# KiCad board W1-AT PCB.kicad_pcb
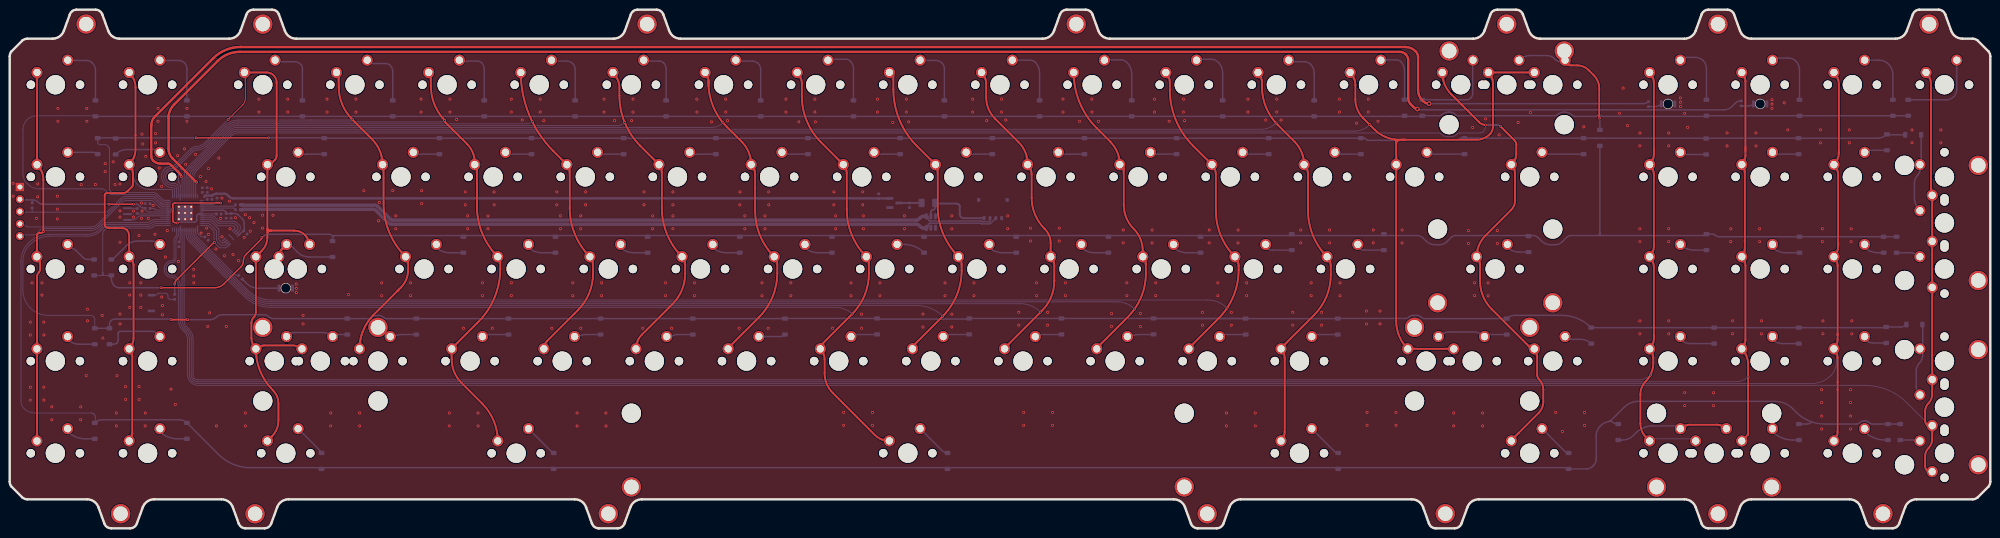
[diagram p0: board, top side]
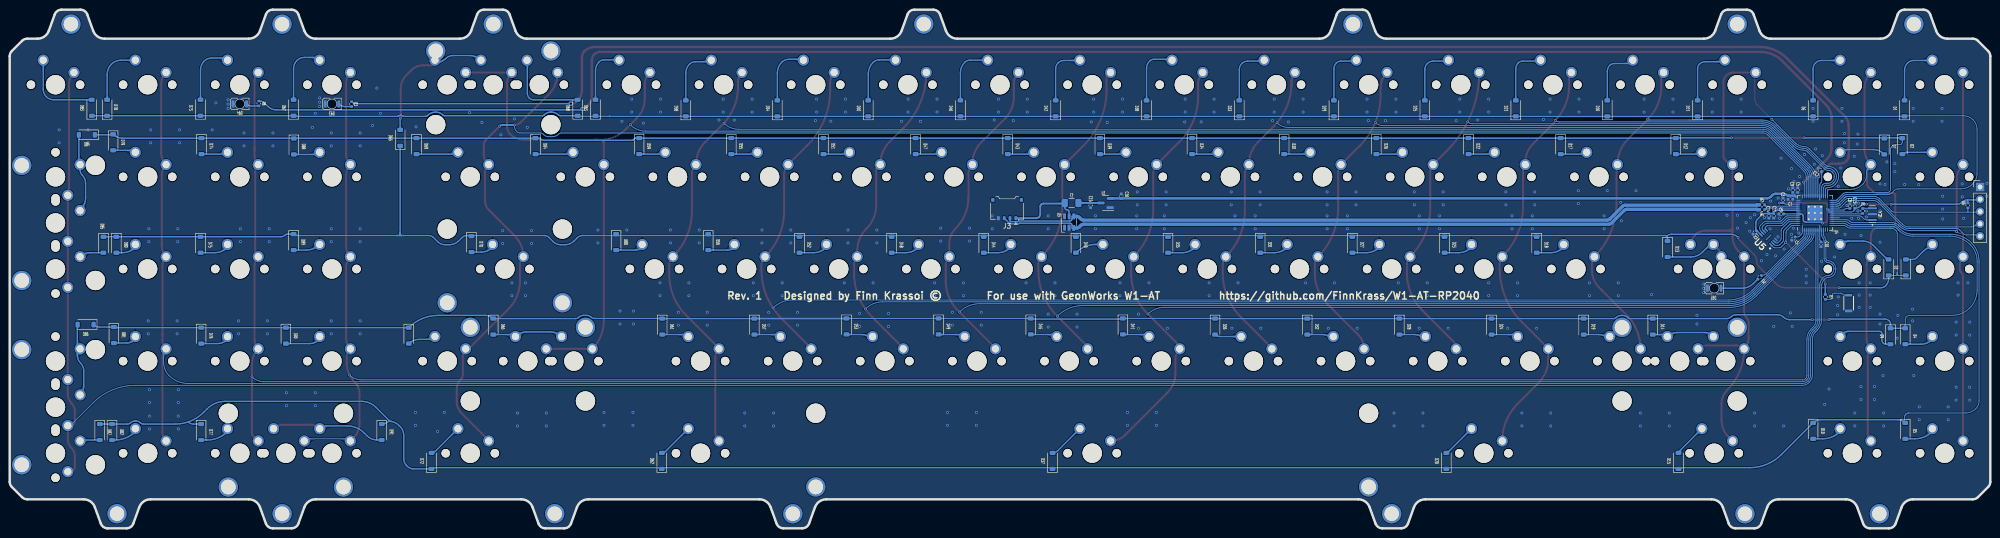
[diagram p1: board, bottom side, seen from below]

Outline 409.47 x 107.25 mm; copper layers: Top, Bottom. Coordinates in mm from the lower left corner of the outline.
Outline path: 0,97.63 0,9.62 arc(0.11,9.05) 0.44,8.56 2.56,6.44 arc(3.05,6.11) 3.62,6 16,6 arc(17.43,5.55) 18.35,4.36 19.57,0.99 arc(20.12,0.27) 20.98,0 24.88,0 arc(25.74,0.27) 26.29,0.99 27.52,4.36 arc(28.43,5.55) 29.87,6 43.78,6 arc(45.21,5.55) 46.13,4.36 47.36,0.99 arc(47.9,0.27) 48.77,0 52.66,0 arc(53.53,0.27) 54.07,0.99 55.3,4.36 arc(56.22,5.55) 57.65,6 116.81,6 arc(118.24,5.55) 119.15,4.36 120.38,0.99 arc(120.93,0.27) 121.79,0 125.69,0 arc(126.55,0.27) 127.1,0.99 128.33,4.36 arc(129.24,5.55) 130.67,6 240.63,6 arc(242.06,5.55) 242.98,4.36 244.21,0.99 arc(244.75,0.27) 245.62,0 249.51,0 arc(250.38,0.27) 250.92,0.99 252.15,4.36 arc(253.07,5.55) 254.5,6 289.84,6 arc(291.28,5.55) 292.19,4.36 293.42,0.99 arc(293.97,0.27) 294.83,0 298.73,0 arc(299.59,0.27) 300.14,0.99 301.36,4.36 arc(302.28,5.55) 303.71,6 346.2,6 arc(347.63,5.55) 348.55,4.36 349.77,0.99 arc(350.32,0.27) 351.18,0 355.08,0 arc(355.94,0.27) 356.49,0.99 357.72,4.36 arc(358.63,5.55) 360.07,6 380.33,6 arc(381.76,5.55) 382.68,4.36 383.91,0.99 arc(384.45,0.27) 385.32,0 389.21,0 arc(390.08,0.27) 390.62,0.99 391.85,4.36 arc(392.77,5.55) 394.2,6 405.84,6 arc(406.42,6.11) 406.9,6.44 409.03,8.56 arc(409.35,9.05) 409.47,9.62 409.47,97.63 arc(409.35,98.2) 409.03,98.69 406.9,100.81 arc(406.42,101.14) 405.84,101.25 403.72,101.25 arc(402.29,101.7) 401.38,102.89 400.15,106.26 arc(399.6,106.98) 398.74,107.25 394.84,107.25 arc(393.98,106.98) 393.43,106.26 392.2,102.89 arc(391.29,101.7) 389.86,101.25 360.07,101.25 arc(358.63,101.7) 357.72,102.89 356.49,106.26 arc(355.94,106.98) 355.08,107.25 351.18,107.25 arc(350.32,106.98) 349.77,106.26 348.55,102.89 arc(347.63,101.7) 346.2,101.25 316.41,101.25 arc(314.98,101.7) 314.06,102.89 312.84,106.26 arc(312.29,106.98) 311.43,107.25 307.53,107.25 arc(306.67,106.98) 306.12,106.26 304.89,102.89 arc(303.98,101.7) 302.54,101.25 227.42,101.25 arc(225.99,101.7) 225.08,102.89 223.85,106.26 arc(223.3,106.98) 222.44,107.25 218.54,107.25 arc(217.68,106.98) 217.13,106.26 215.9,102.89 arc(214.99,101.7) 213.56,101.25 138.7,101.25 arc(137.27,101.7) 136.35,102.89 135.12,106.26 arc(134.58,106.98) 133.71,107.25 129.82,107.25 arc(128.95,106.98) 128.41,106.26 127.18,102.89 arc(126.26,101.7) 124.83,101.25 59.24,101.25 arc(57.8,101.7) 56.89,102.89 55.66,106.26 arc(55.11,106.98) 54.25,107.25 50.35,107.25 arc(49.49,106.98) 48.94,106.26 47.72,102.89 arc(46.8,101.7) 45.37,101.25 22.72,101.25 arc(21.29,101.7) 20.38,102.89 19.15,106.26 arc(18.6,106.98) 17.74,107.25 13.84,107.25 arc(12.98,106.98) 12.43,106.26 11.2,102.89 arc(10.29,101.7) 8.86,101.25 3.62,101.25 arc(3.05,101.14) 2.56,100.81 0.44,98.69 arc(0.11,98.2) 0,97.63
Stack: Top 0.035mm / dielectric 1.51mm FR4 er 4.5 / Bottom 0.035mm

## Placement (name value [footprint] x y rotation side)
C3  1uF  [C_0402_1005Metric]  42.86 67.82 90 bottom
C4  1uF  [C_0402_1005Metric]  40.71 59.91 315 bottom
C5  100nF  [C_0402_1005Metric]  39.83 69.95 90 bottom
C6  100nF  [C_0402_1005Metric]  43.25 64.99 0 bottom
C7  100nF  [C_0402_1005Metric]  41.34 68.04 0 bottom
C8  100nF  [C_0402_1005Metric]  29.02 66.64 90 bottom
C9  100nF  [C_0402_1005Metric]  40.85 69.95 90 bottom
C10  100nF  [C_0402_1005Metric]  35 58.72 270 bottom
C11  100nF  [C_0402_1005Metric]  44.77 64.61 270 bottom
C12  100nF  [C_0402_1005Metric]  35.24 74.14 45 bottom
C13  100nF  [C_0402_1005Metric]  28.01 66.67 90 bottom
C14  100nF  [C_0402_1005Metric]  45.79 64.61 270 bottom
C15  1uF  [C_0402_1005Metric]  186.01 66.8 270 bottom
C16  1uF  [C_0402_1005Metric]  179.66 68.68 90 bottom
C17  100nF  [C_0402_1005Metric]  48.72 61.18 135 bottom
D1  D_Small  [D_SOD-123]  17.73 86.84 90 bottom
D2  D_Small  [D_SOD-123]  18.19 79.03 270 bottom
D3  D_Small  [D_SOD-123]  17.46 53.95 90 bottom
D4  D_Small  [D_SOD-123]  17.59 39.72 270 bottom
D5  D_Small  [D_SOD-123]  17.59 20.16 270 bottom
D6  D_Small  [D_SOD-123]  36.64 86.84 90 bottom
D7  D_Small  [D_SOD-123]  21.91 78.96 270 bottom
D8  D_Small  [D_SOD-123]  21.02 53.94 90 bottom
D9  D_Small  [D_SOD-123]  20.64 39.72 270 bottom
D10  D_Small  [D_SOD-123]  36.64 20.16 270 bottom
D11  D_Small  [D_SOD-123]  60.52 86.84 90 bottom
D12  D_Small  [D_SOD-123]  65.03 79.03 270 bottom
D13  D_Small  [D_SOD-123]  66.74 57.75 270 bottom
D14  D_Small  [D_SOD-123]  69.79 41.72 270 bottom
D15  D_Small  [D_SOD-123]  64.47 13.94 90 bottom
D16  D_Small  [D_SOD-123]  79.19 86.84 90 bottom
D17  D_Small  [D_SOD-123]  88.84 79.03 270 bottom
D18  D_Small  [D_SOD-123]  93.79 58.64 270 bottom
D19  D_Small  [D_SOD-123]  84.08 41.72 270 bottom
D20  D_Small  [D_SOD-123]  112.46 13.94 90 bottom
D21  D_Small  [D_SOD-123]  98.11 86.84 90 bottom
D22  D_Small  [D_SOD-123]  107.89 79.03 270 bottom
D23  D_Small  [D_SOD-123]  112.84 58.64 270 bottom
D24  D_Small  [D_SOD-123]  103.13 41.72 270 bottom
D25  D_Small  [D_SOD-123]  116.91 86.84 90 bottom
D26  D_Small  [D_SOD-123]  126.94 79.03 270 bottom
D27  D_Small  [D_SOD-123]  131.89 58.64 270 bottom
D28  D_Small  [D_SOD-123]  122.18 41.72 270 bottom
D29  D_Small  [D_SOD-123]  135.7 86.84 90 bottom
D30  D_Small  [D_SOD-123]  145.99 79.03 270 bottom
D31  D_Small  [D_SOD-123]  150.94 58.64 270 bottom
D32  D_Small  [D_SOD-123]  141.23 41.72 270 bottom
D33  D_Small  [D_SOD-123]  155.26 86.84 90 bottom
D34  D_Small  [D_SOD-123]  165.04 79.03 270 bottom
D35  D_Small  [D_SOD-123]  169.99 58.64 270 bottom
D36  D_Small  [D_SOD-123]  160.28 41.72 270 bottom
D37  D_Small  [D_SOD-123]  193.88 13.94 90 bottom
D38  D_Small  [D_SOD-123]  174.44 86.84 90 bottom
D39  D_Small  [D_SOD-123]  184.09 79.03 270 bottom
D40  D_Small  [D_SOD-123]  189.04 58.64 270 bottom
D41  D_Small  [D_SOD-123]  179.33 41.75 270 bottom
D42  D_Small  [D_SOD-123]  193.23 86.84 90 bottom
D43  D_Small  [D_SOD-123]  203.14 79.03 270 bottom
D44  D_Small  [D_SOD-123]  208.09 58.64 270 bottom
D45  D_Small  [D_SOD-123]  198.38 41.75 270 bottom
D46  D_Small  [D_SOD-123]  212.92 86.84 90 bottom
D47  D_Small  [D_SOD-123]  222.19 79.03 270 bottom
D48  D_Small  [D_SOD-123]  227.14 58.64 270 bottom
D49  D_Small  [D_SOD-123]  217.43 41.75 270 bottom
D50  D_Small  [D_SOD-123]  231.97 86.84 90 bottom
D51  D_Small  [D_SOD-123]  241.24 79.03 270 bottom
D52  D_Small  [D_SOD-123]  246.19 58.64 270 bottom
D53  D_Small  [D_SOD-123]  236.48 41.75 270 bottom
D54  D_Small  [D_SOD-123]  250.76 86.84 90 bottom
D55  D_Small  [D_SOD-123]  260.29 79.03 270 bottom
D56  D_Small  [D_SOD-123]  265.05 59.18 270 bottom
D57  D_Small  [D_SOD-123]  255.53 41.72 270 bottom
D58  D_Small  [D_SOD-123]  269.69 86.84 90 bottom
D59  D_Small  [D_SOD-123]  279.34 79.03 270 bottom
D60  D_Small  [D_SOD-123]  284.1 59.18 270 bottom
D61  D_Small  [D_SOD-123]  274.58 41.72 270 bottom
D62  D_Small  [D_SOD-123]  274.65 13.94 90 bottom
D63  D_Small  [D_SOD-123]  288.36 86.96 90 bottom
D64  D_Small  [D_SOD-123]  300.77 79.03 270 bottom
D65  D_Small  [D_SOD-123]  328.74 80.74 90 bottom
D66  D_Small  [D_SOD-123]  309.5 41.72 270 bottom
D67  D_Small  [D_SOD-123]  350.78 86.96 90 bottom
D68  D_Small  [D_SOD-123]  292.04 86.96 90 bottom
D69  D_Small  [D_SOD-123]  325.38 79.03 270 bottom
D70  D_Small  [D_SOD-123]  314.01 58.77 270 bottom
D71  D_Small  [D_SOD-123]  326.96 39.85 270 bottom
D72  D_Small  [D_SOD-123]  322.28 13.94 90 bottom
D73  D_Small  [D_SOD-123]  370.02 86.96 90 bottom
D74  D_Small  [D_SOD-123]  369.83 79.03 270 bottom
D75  D_Small  [D_SOD-123]  370.02 58.64 270 bottom
D76  D_Small  [D_SOD-123]  369.89 39.85 270 bottom
D77  D_Small  [D_SOD-123]  369.89 19.91 270 bottom
D78  D_Small  [D_SOD-123]  389.32 86.96 90 bottom
D79  D_Small  [D_SOD-123]  388.08 79.82 270 bottom
D80  D_Small  [D_SOD-123]  387.42 58.64 270 bottom
D81  D_Small  [D_SOD-123]  387.92 39.97 270 bottom
D82  D_Small  [D_SOD-123]  388.3 19.91 270 bottom
D83  D_Small  [D_SOD-123]  392.5 86.96 90 bottom
D84  D_Small  [D_SOD-123]  393.51 81.38 0 bottom
D85  D_Small  [D_SOD-123]  390.08 58.64 270 bottom
D86  D_Small  [D_SOD-123]  393.77 42.13 0 bottom
D87  D_Small  [D_SOD-123]  390.84 19.91 270 bottom
D88  D_Small  [D_SOD-123]  350.71 78.96 270 bottom
D89  D_Small  [D_SOD-123]  350.78 59.18 270 bottom
D90  D_Small  [D_SOD-123]  352.36 39.85 270 bottom
D91  D_Small  [D_SOD-123]  332.55 19.91 270 bottom
D92  -  [EverlightSMD,1.3x3.2]  57.09 49.66 180 bottom
D93  -  [EverlightSMD,1.3x3.2]  342.84 87.76 180 bottom
D94  -  [EverlightSMD,1.3x3.2]  361.89 87.76 180 bottom
F2  500mA  [Fuse_1206_3216Metric]  189.93 67.28 0 bottom
H1  MountingHole  [Tadpole Pin]  309.49 104.27 0 top
H2  MountingHole  [Tadpole Pin]  353.14 3.01 0 top
H3  MountingHole  [Tadpole Pin]  22.94 3.02 0 top
H4  MountingHole  [Tadpole Pin]  50.73 3 0 top
H5  MountingHole  [Tadpole Pin]  123.76 3.02 0 top
H6  MountingHole  [Tadpole Pin]  131.77 104.26 0 top
H7  MountingHole  [Tadpole Pin]  353.16 104.25 0 top
H8  MountingHole  [Tadpole Pin]  387.27 3.02 0 top
H9  MountingHole  [Tadpole Pin]  296.79 3.02 0 top
H10  MountingHole  [Tadpole Pin]  247.57 3.01 0 top
H11  MountingHole  [Tadpole Pin]  15.81 104.27 0 top
H12  MountingHole  [Tadpole Pin]  52.32 104.26 0 top
H13  MountingHole  [Tadpole Pin]  220.49 104.27 0 top
H14  MountingHole  [Tadpole Pin]  396.8 104.26 0 top
J2  Conn_01x05  [PinHeader_1x05_P2.54mm_Vertical]  2.11 70.58 180 bottom
J3  Conn_01x04  [Molex_Pico-EZmate_78171-0004_1x04-1MP_P1.20mm_Vertical]  203.27 66.01 0 bottom
R1  1k  [R_0402_1005Metric]  26.37 65.63 270 bottom
R2  175R  [R_0402_1005Metric]  47.69 51.91 135 bottom
R3  175R  [R_0402_1005Metric]  338.77 87.73 90 bottom
R4  27R  [R_0402_1005Metric]  47.2 65.88 180 bottom
R5  27R  [R_0402_1005Metric]  47.2 66.9 180 bottom
R6  10K  [R_0402_1005Metric]  4.65 66.77 270 bottom
R7  1K  [R_0402_1005Metric]  34.11 47.85 270 bottom
R8  175R  [R_0402_1005Metric]  357.95 87.86 90 bottom
S1  MX_stab  [STAB_MX_P_7u]  185.68 15.54 180 top
S3  MX_stab  [STAB_MX_P_2.25u]  64.23 34.58 0 top
S4  MX_stab  [STAB_MX_P_2u]  309.48 91.73 0 top
S5  MX_stab  [STAB_MX_P_2.25u]  307.1 53.63 180 top
S6  MX_stab  [STAB_MX_P_2.75u]  302.34 34.58 0 top
S7  MX_stab  [STAB_MX_P_2u]  352.36 15.53 180 top
S8  MX_stab  [STAB_MX_P_2u]  399.99 63.15 270 top
S9  MX_stab  [STAB_MX_P_2u]  399.99 25.05 270 top
SW1  SW_Push  [KXT321LHS]  29.29 46.58 90 bottom
SW2  MX_SW_solder  [SW_MX_1u]  9.46 91.73 0 top
SW3  MX_SW_solder  [SW_MX_1u]  9.46 72.68 0 top
SW4  MX_SW_solder  [SW_MX_1u]  9.44 53.63 0 top
SW5  MX_SW_solder  [SW_MX_1u]  9.44 34.58 0 top
SW6  MX_SW_solder  [SW_MX_1u]  9.44 15.53 0 top
SW7  MX_SW_solder  [SW_MX_1u]  28.51 91.73 0 top
SW8  MX_SW_solder  [SW_MX_1u]  28.51 72.68 0 top
SW9  MX_SW_solder  [SW_MX_1u]  28.51 53.63 0 top
SW10  MX_SW_solder  [SW_MX_1u]  28.51 34.58 0 top
SW11  MX_SW_solder  [SW_MX_1u]  28.51 15.53 0 top
SW12  ESC  [SW_MX_1u]  52.33 91.73 0 top
SW13  TAB  [SW_MX_1.5u]  57.09 72.68 0 top
SW14  CAPS  [SW_MX_1.75u]  59.47 53.63 0 top
SW15  LSFT  [SW_MX_1u]  64.23 34.58 0 top
SW16  LCTL  [SW_MX_1.5u]  57.09 15.53 0 top
SW17  1  [SW_MX_1u]  71.38 91.73 0 top
SW18  Q  [SW_MX_1u]  80.9 72.68 0 top
SW19  A  [SW_MX_1u]  85.66 53.63 0 top
SW20  ~{LSFT}  [SW_MX_1u]  76.14 34.58 0 top
SW21  LALT  [SW_MX_1.5u]  104.71 15.53 0 top
SW22  2  [SW_MX_1u]  90.43 91.73 0 top
SW23  W  [SW_MX_1u]  99.95 72.68 0 top
SW24  S  [SW_MX_1u]  104.71 53.63 0 top
SW25  Z  [SW_MX_1u]  95.19 34.58 0 top
SW26  3  [SW_MX_1u]  109.48 91.73 0 top
SW27  E  [SW_MX_1u]  119 72.68 0 top
SW28  D  [SW_MX_1u]  123.76 53.63 0 top
SW29  X  [SW_MX_1u]  114.24 34.58 0 top
SW30  4  [SW_MX_1u]  128.53 91.73 0 top
SW31  R  [SW_MX_1u]  138.05 72.68 0 top
SW32  F  [SW_MX_1u]  142.81 53.63 0 top
SW33  C  [SW_MX_1u]  133.29 34.58 0 top
SW34  5  [SW_MX_1u]  147.58 91.73 0 top
SW35  T  [SW_MX_1u]  157.1 72.68 0 top
SW36  G  [SW_MX_1u]  161.86 53.63 0 top
SW37  V  [SW_MX_1u]  152.34 34.58 0 top
SW38  MX_SW_solder  [SW_MX_1u]  185.68 15.54 0 top
SW39  6  [SW_MX_1u]  166.63 91.73 0 top
SW40  Y  [SW_MX_1u]  176.15 72.68 0 top
SW41  H  [SW_MX_1u]  180.91 53.63 0 top
SW42  B  [SW_MX_1u]  171.39 34.58 0 top
SW43  7  [SW_MX_1u]  185.68 91.73 0 top
SW44  U  [SW_MX_1u]  195.2 72.68 0 top
SW45  J  [SW_MX_1u]  199.96 53.63 0 top
SW46  N  [SW_MX_1u]  190.44 34.58 0 top
SW47  8  [SW_MX_1u]  204.73 91.73 0 top
SW48  I  [SW_MX_1u]  214.25 72.68 0 top
SW49  K  [SW_MX_1u]  219.01 53.63 0 top
SW50  M  [SW_MX_1u]  209.49 34.58 0 top
SW51  9  [SW_MX_1u]  223.78 91.73 0 top
SW52  O  [SW_MX_1u]  233.3 72.68 0 top
SW53  L  [SW_MX_1u]  238.06 53.63 0 top
SW54  <  [SW_MX_1u]  228.54 34.58 0 top
SW55  0  [SW_MX_1u]  242.83 91.73 0 top
SW56  P  [SW_MX_1u]  252.35 72.68 0 top
SW57  :  [SW_MX_1u]  257.11 53.63 0 top
SW58  >  [SW_MX_1u]  247.59 34.58 0 top
SW59  -  [SW_MX_1u]  261.88 91.73 0 top
SW60  {  [SW_MX_1u]  271.4 72.68 0 top
SW61  "  [SW_MX_1u]  276.16 53.63 0 top
SW62  ?  [SW_MX_1u]  266.64 34.58 0 top
SW63  RALT  [SW_MX_1.5u]  266.64 15.53 0 top
SW64  +  [SW_MX_1u]  280.93 91.73 0 top
SW65  }  [SW_MX_1u]  290.45 72.68 0 top
SW66  BSPACE  [SW_MX_1u]  309.5 91.73 0 top
SW67  NLCK  [SW_MX_1u]  342.84 91.73 0 top
SW68  RSFT  [SW_MX_1u]  302.36 34.58 0 top
SW69  ~{BSP|\}  [SW_MX_1u]  299.98 91.73 0 top
SW70  PIPE  [SW_MX_1.5u]  314.24 72.68 0 top
SW71  ENTER  [SW_MX_1u]  307.09 53.63 0 top
SW72  ~{FN}  [SW_MX_1u]  319.01 34.58 0 top
SW73  RCTL  [SW_MX_1.5u]  314.24 15.53 0 top
SW74  DIVIDE  [SW_MX_1u]  361.89 91.73 0 top
SW75  N8  [SW_MX_1u]  361.89 72.68 0 top
SW76  N5  [SW_MX_1u]  361.89 53.63 0 top
SW77  N2  [SW_MX_1u]  361.89 34.58 0 top
SW78  SPLIT N-ENTER  [SW_MX_1u]  399.99 15.53 90 top
SW79  MULT  [SW_MX_1u]  380.94 91.73 0 top
SW80  N9  [SW_MX_1u]  380.94 72.68 0 top
SW81  N6  [SW_MX_1u]  380.94 53.63 0 top
SW82  N3  [SW_MX_1u]  380.94 34.58 0 top
SW83  SPLIT N0  [SW_MX_1u]  361.89 15.53 0 top
SW84  N-  [SW_MX_1u]  399.99 91.73 0 top
SW85  N+  [SW_MX_1u]  399.99 63.15 90 top
SW86  SPLIT N+  [SW_MX_1u]  399.99 53.63 90 top
SW87  N-ENTER  [SW_MX_1u]  399.99 25.05 90 top
SW88  N.  [SW_MX_1u]  380.94 15.53 0 top
SW89  ~{CAPS}  [SW_MX_1.25u]  54.71 53.63 0 top
SW90  SPLITLSFT  [SW_MX_1.25u]  54.71 34.58 0 top
SW91  N7  [SW_MX_1u]  342.84 72.68 0 top
SW92  ~{RSFT}  [SW_MX_1.75u]  292.83 34.58 0 top
SW93  N4  [SW_MX_1u]  342.84 53.63 0 top
SW94  ~{N+}  [SW_MX_1u]  399.99 72.68 90 top
SW95  ~{N-ENTER}  [SW_MX_1u]  399.99 34.58 90 top
SW96  N1  [SW_MX_1u]  342.84 34.58 0 top
SW97  N0  [SW_MX_1u]  352.36 15.53 0 top
SW98  ~{N0}  [SW_MX_1u]  342.84 15.53 0 top
SW99  ~{BSPACE}  [SW_MX_1u]  319.01 91.73 0 top
U1  XC6206PxxxMR  [SOT-23]  182.9 67.28 0 bottom
U3  SRV05-4  [SOT-23-6-routable]  190.44 63.34 90 bottom
U4  RP2040  [RP2040-QFN-56]  36.26 65.22 90 bottom
U5  W25Q32JVSS  [W25Q16FWUXIE]  45.39 58.65 45 bottom
Y2  CSTNE12M0G520000R0  [OSC_CSTNE12M0G520000R0]  24.38 64.98 90 bottom

## Library data of the parts
C3 C4 C15 C16 = -: Description: Unpolarized capacitor, small symbol
C5 = -: Description: Unpolarized capacitor, small symbol; LCSC: C52923
C6-C14 C17 = -: Description: Unpolarized capacitor, small symbol; LCSC: C1525
D1-D91 = -: Description: Diode, small symbol
D92-D94 = -: Description: Light emitting diode, small symbol
F2 = -: Description: Resettable fuse, polymeric positive temperature coefficient, small symbol
H1-H14 = -: Description: Mounting Hole without connection
J2 = -: Description: Generic connector, single row, 01x05, script generated (kicad-library-utils/schlib/autogen/connector/)
J3 = -: Description: Generic connector, single row, 01x04, script generated (kicad-library-utils/schlib/autogen/connector/)
R1-R8 = -: Description: Resistor, small symbol
S1 S3-S9 = -: Description: Cherry MX-style stabilizer
SW1 = -: Description: Push button switch, generic, two pins
SW2-SW99 = -: Description: Push button switch, normally open, two pins, 45° tilted
U1 = -: Description: Positive 60-250mA Low Dropout Regulator, Fixed Output, SOT-23
U3 = -: Description: ESD Protection Diodes with Low Clamping Voltage, SOT-23-6
U4 = -: Description: A microcontroller by Raspberry Pi
U5 = -: Description: 32Mb Serial Flash Memory, Standard/Dual/Quad SPI, SOIC-8
Y2 = -: MANUFACTURER: Murata; MAXIMUM_PACKAGE_HEIGHT: 0.8mm; PARTREV: JGC42-8858A; STANDARD: Manufacturer Recomendations

## Footprints (pads in the part's own frame, mm; a bottom-side part is the same pattern mirrored in y, then rotated)
C_0402_1005Metric
  rrect 0.56x0.62 smd: 1(-0.48,0) 2(0.48,0)
D_SOD-123
  rrect 0.9x1.2 smd: 1(-1.65,0) 2(1.65,0)
EverlightSMD,1.3x3.2
  rrect 0.6x1.5 smd: 1(1.4,0) 2(-1.4,0)
Fuse_1206_3216Metric
  rrect 1.25x1.75 smd: 1(-1.4,0) 2(1.4,0)
KXT321LHS
  rrect 0.55x1.5 smd: 1(-1.625,0) 2(1.625,0)
Molex_Pico-EZmate_78171-0004_1x04-1MP_P1.20mm_Vertical
  rrect 0.6x0.85 smd: 1(-1.8,1.875) 2(-0.6,1.875) 3(0.6,1.875) 4(1.8,1.875)
  rrect 0.7x0.8 smd: MP(-2.95,-1.9) MP(2.95,-1.9)
OSC_CSTNE12M0G520000R0
  oval 0.4x1.9 smd: 1(-1.2,0)
  rrect 0.4x1.9 smd: 2(0,0) 3(1.2,0)
PinHeader_1x05_P2.54mm_Vertical
  rect 1.7x1.7 hole 1: 1(0,0)
  oval 1.7x1.7 hole 1: 2(0,-2.54) 3(0,-5.08) 4(0,-7.62) 5(0,-10.16)
R_0402_1005Metric
  rrect 0.54x0.64 smd: 1(-0.51,0) 2(0.51,0)
RP2040-QFN-56
  rrect 1.084x1.084 smd: (-0.637,-0.637) (-0.637,0.637) (0.637,-0.637) (0.637,0.637)
  rrect 0.875x0.2 smd: 1(-3.438,2.6) 2(-3.438,2.2) 3(-3.438,1.8) 4(-3.438,1.4) 5(-3.438,1) 6(-3.438,0.6) 7(-3.438,0.2) 8(-3.438,-0.2) 9(-3.438,-0.6) 10(-3.438,-1) 11(-3.438,-1.4) 12(-3.438,-1.8) 13(-3.438,-2.2) 14(-3.438,-2.6) 29(3.438,-2.6) 30(3.438,-2.2) 31(3.438,-1.8) 32(3.438,-1.4) 33(3.438,-1) 34(3.438,-0.6) 35(3.438,-0.2) 36(3.438,0.2) 37(3.438,0.6) 38(3.438,1) 39(3.438,1.4) 40(3.438,1.8) 41(3.438,2.2) 42(3.438,2.6)
  rrect 0.2x0.875 smd: 15(-2.6,-3.438) 16(-2.2,-3.438) 17(-1.8,-3.438) 18(-1.4,-3.438) 19(-1,-3.438) 20(-0.6,-3.438) 21(-0.2,-3.438) 22(0.2,-3.438) 23(0.6,-3.438) 24(1,-3.438) 25(1.4,-3.438) 26(1.8,-3.438) 27(2.2,-3.438) 28(2.6,-3.438) 43(2.6,3.438) 44(2.2,3.438) 45(1.8,3.438) 46(1.4,3.438) 47(1,3.438) 48(0.6,3.438) 49(0.2,3.438) 50(-0.2,3.438) 51(-0.6,3.438) 52(-1,3.438) 53(-1.4,3.438) 54(-1.8,3.438) 55(-2.2,3.438) 56(-2.6,3.438)
  round 0.6 hole 0.35: 57(-1.275,-1.275) 57(-1.275,0) 57(-1.275,1.275) 57(0,-1.275) 57(0,0) 57(0,1.275) 57(1.275,-1.275) 57(1.275,0) 57(1.275,1.275)
  rrect 3.2x3.2 smd: 57(0,0)
SOT-23
  rrect 1.475x0.6 smd: 1(-0.938,0.95) 2(-0.938,-0.95) 3(0.938,0)
SOT-23-6-routable
  rrect 1.25x0.6 smd: 1(-1.175,0.95) 2(-1.175,0) 3(-1.25,-0.95) 4(1.175,-0.95) 5(1.175,0) 6(1.175,0.95)
STAB_MX_P_2.25u
  round 4 hole 3.048: (-11.906,6.985) (11.906,6.985)
  round 3.988 hole 3.988 unplated: (-11.906,-8.255) (11.906,-8.255)
STAB_MX_P_2.75u
  round 4 hole 3.048: (-11.906,6.985) (11.906,6.985)
  round 3.988 hole 3.988 unplated: (-11.906,-8.255) (11.906,-8.255)
STAB_MX_P_2u
  round 4 hole 3.048: (-11.906,6.985) (11.906,6.985)
  round 3.988 hole 3.988 unplated: (-11.906,-8.255) (11.906,-8.255)
STAB_MX_P_7u
  round 4 hole 3.048: (-57.15,6.985) (57.15,6.985)
  round 3.988 hole 3.988 unplated: (-57.15,-8.255) (57.15,-8.255)
SW_MX_1.5u
  round 1.75 hole 1.75 unplated: (-5.08,0) (5.08,0)
  round 3.988 hole 3.988 unplated: (0,0)
  round 2.3 hole 1.524: 1(-3.81,2.54) 2(2.54,5.08)
SW_MX_1.25u
  round 1.75 hole 1.75 unplated: (-5.08,0) (5.08,0)
  round 3.988 hole 3.988 unplated: (0,0)
  round 2.3 hole 1.524: 1(-3.81,2.54) 2(2.54,5.08)
SW_MX_1.75u
  round 1.75 hole 1.75 unplated: (-5.08,0) (5.08,0)
  round 3.988 hole 3.988 unplated: (0,0)
  round 2.3 hole 1.524: 1(-3.81,2.54) 2(2.54,5.08)
SW_MX_1u
  round 1.75 hole 1.75 unplated: (-5.08,0) (5.08,0)
  round 3.988 hole 3.988 unplated: (0,0)
  round 2.3 hole 1.524: 1(-3.81,2.54) 2(2.54,5.08)
Tadpole Pin
  round 4 hole 3: 1(0,0)
W25Q16FWUXIE
  rrect 0.9x0.3 smd: 1(0,0) 2(0,-0.5) 3(0,-1) 4(0,-1.5) 5(2.8,-1.5) 6(2.8,-1) 7(2.8,-0.5) 8(2.8,0)
  rrect 0.25x1.65 smd: 9(1.4,-0.75)

## Nets
+1V1: C3.1 C6.1 C8.1 U4.23 U4.45 U4.50
+3.3V: C4.1 C5.1 C7.1 C9.1 C10.1 C11.1 C12.1 C13.1 C14.1 C16.1 C17.2 J2.2 R6.1 U1.2 U4.1 U4.10 U4.22 U4.33 U4.42 U4.43 U4.44 U4.48 U4.49 U5.8
+5V: C15.1 F2.1 U1.3
GND: C3.2 C4.2 C5.2 C6.2 C7.2 C8.2 C9.2 C10.2 C11.2 C12.2 C13.2 C14.2 C15.2 C16.2 C17.1 D92.2 D93.2 D94.2 J2.1 J3.4 SW1.1 U1.1 U3.2 U4.19 U4.57 U5.4 Y2.2
VCC: F2.2 J3.1 U3.5
/USB_DN: R5.2 U4.46
/USB_DP: R4.2 U4.47
/X_OUT: R1.1 Y2.3
CAPSLED: R2.2 U4.2
COL0: SW2.1 SW3.1 SW4.1 SW5.1 SW6.1 U4.18
COL1: SW7.1 SW8.1 SW9.1 SW10.1 SW11.1 U4.29
COL2: SW12.1 SW13.1 SW14.2 SW15.1 SW16.1 SW89.1 SW90.1 U4.30
COL3: SW17.1 SW18.1 SW19.1 SW20.1 U4.31
COL4: SW21.1 SW22.1 SW23.1 SW24.1 SW25.1 U4.32
COL5: SW26.1 SW27.1 SW28.1 SW29.1 U4.35
COL6: SW30.1 SW31.1 SW32.1 SW33.1 U4.36
COL7: SW34.1 SW35.1 SW36.1 SW37.1 U4.37
COL8: SW38.1 SW39.1 SW40.1 SW41.1 SW42.1 U4.7
COL9: SW43.1 SW44.1 SW45.1 SW46.1 U4.6
COL10: SW47.1 SW48.1 SW49.1 SW50.1 U4.5
COL11: SW51.1 SW52.1 SW53.1 SW54.1 U4.4
COL12: SW55.1 SW56.1 SW57.1 SW58.1 U4.3
COL13: SW59.1 SW60.1 SW61.1 SW62.1 SW63.1 U4.38
COL14: SW64.1 SW65.1 SW66.1 SW68.1 SW92.1 SW99.1 U4.39
COL15: SW69.1 SW70.1 SW71.1 SW72.1 SW73.1 U4.40
COL16: SW67.1 SW91.1 SW93.1 SW96.1 SW97.1 SW98.1 U4.8
COL17: SW74.1 SW75.1 SW76.1 SW77.1 SW83.1 U4.9
COL18: SW79.1 SW80.1 SW81.1 SW82.1 SW88.1 U4.11
COL19: SW78.1 SW84.1 SW85.1 SW86.1 SW87.1 SW94.1 SW95.1 U4.12
D+: J3.3 R4.1 U3.3
D-: J3.2 R5.1 U3.4
NUMLED1: R3.2 U4.34
NUMLED2: R8.2 U4.41
QSPI_SCLK: U4.52 U5.6
QSPI_SD0: U4.53 U5.5
QSPI_SD1: U4.55 U5.2
QSPI_SD2: U4.54 U5.3
QSPI_SD3: U4.51 U5.7
QSPI_SS: R7.1 U4.56 U5.1
RESET: J2.3 R6.2 U4.26
ROW0: D1.1 D6.1 D11.1 D16.1 D21.1 D25.1 D29.1 D33.1 D38.1 D42.1 D46.1 D50.1 D54.1 D58.1 D63.1 D67.1 D68.1 D73.1 D78.1 D83.1 U4.27
ROW1: D2.1 D7.1 D12.1 D17.1 D22.1 D26.1 D30.1 D34.1 D39.1 D43.1 D47.1 D51.1 D55.1 D59.1 D64.1 D69.1 D74.1 D79.1 D84.1 D88.1 U4.28
ROW2: D3.1 D8.1 D13.1 D18.1 D23.1 D27.1 D31.1 D35.1 D40.1 D44.1 D48.1 D52.1 D56.1 D60.1 D65.1 D70.1 D75.1 D80.1 D85.1 D89.1 U4.15
ROW3: D4.1 D9.1 D14.1 D19.1 D24.1 D28.1 D32.1 D36.1 D41.1 D45.1 D49.1 D53.1 D57.1 D61.1 D66.1 D71.1 D76.1 D81.1 D86.1 D90.1 U4.16
ROW4: D5.1 D10.1 D15.1 D20.1 D37.1 D62.1 D72.1 D77.1 D82.1 D87.1 D91.1 U4.17
SWCLK: J2.5 U4.24
SWD: J2.4 U4.25
XIN: U4.20 Y2.1
XOUT: R1.2 U4.21
Net-(D1-A): D1.2 SW2.2
Net-(D2-A): D2.2 SW3.2
Net-(D3-A): D3.2 SW4.2
Net-(D4-A): D4.2 SW5.2
Net-(D5-A): D5.2 SW6.2
Net-(D6-A): D6.2 SW7.2
Net-(D7-A): D7.2 SW8.2
Net-(D8-A): D8.2 SW9.2
Net-(D9-A): D9.2 SW10.2
Net-(D10-A): D10.2 SW11.2
Net-(D11-A): D11.2 SW12.2
Net-(D12-A): D12.2 SW13.2
Net-(D13-A): D13.2 SW14.1 SW89.2
Net-(D14-A): D14.2 SW15.2 SW90.2
Net-(D15-A): D15.2 SW16.2
Net-(D16-A): D16.2 SW17.2
Net-(D17-A): D17.2 SW18.2
Net-(D18-A): D18.2 SW19.2
Net-(D19-A): D19.2 SW20.2
Net-(D20-A): D20.2 SW21.2
Net-(D21-A): D21.2 SW22.2
Net-(D22-A): D22.2 SW23.2
Net-(D23-A): D23.2 SW24.2
Net-(D24-A): D24.2 SW25.2
Net-(D25-A): D25.2 SW26.2
Net-(D26-A): D26.2 SW27.2
Net-(D27-A): D27.2 SW28.2
Net-(D28-A): D28.2 SW29.2
Net-(D29-A): D29.2 SW30.2
Net-(D30-A): D30.2 SW31.2
Net-(D31-A): D31.2 SW32.2
Net-(D32-A): D32.2 SW33.2
Net-(D33-A): D33.2 SW34.2
Net-(D34-A): D34.2 SW35.2
Net-(D35-A): D35.2 SW36.2
Net-(D36-A): D36.2 SW37.2
Net-(D37-A): D37.2 SW38.2
Net-(D38-A): D38.2 SW39.2
Net-(D39-A): D39.2 SW40.2
Net-(D40-A): D40.2 SW41.2
Net-(D41-A): D41.2 SW42.2
Net-(D42-A): D42.2 SW43.2
Net-(D43-A): D43.2 SW44.2
Net-(D44-A): D44.2 SW45.2
Net-(D45-A): D45.2 SW46.2